# KiCad board e003_rocker.kicad_pcb
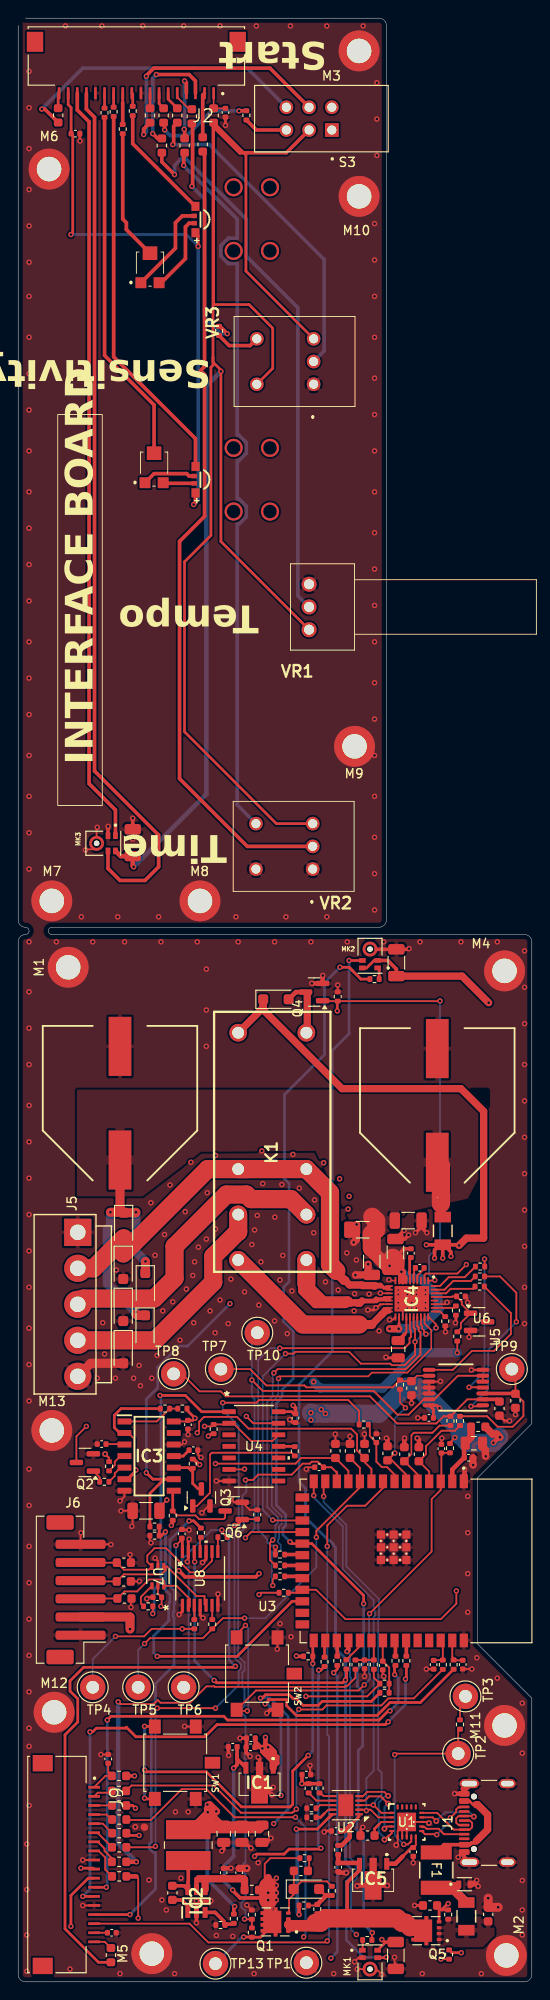
[diagram p0: board, top side]
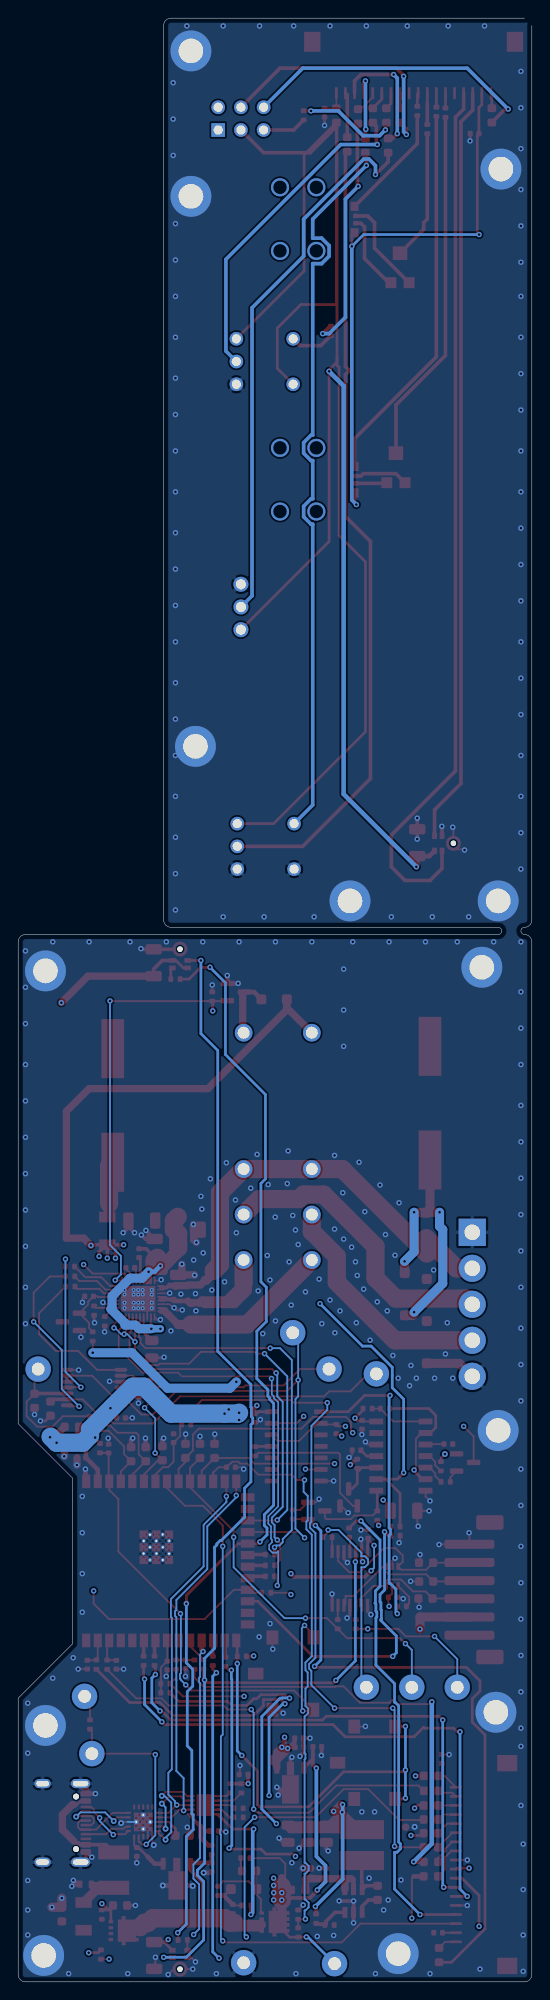
[diagram p1: board, bottom side, seen from below]

Outline 56.5 x 216 mm; copper layers: Top, In1.Cu, In2.Cu, Bottom. Coordinates in mm from the lower left corner of the outline.
Outline path: 0,215.2 0,116.8 arc(0.23,116.23) 0.8,116 arc(1.2,115.6) 0.8,115.2 arc(0.23,114.97) 0,114.4 0,0.8 arc(0.23,0.23) 0.8,0 55.7,0 arc(56.27,0.23) 56.5,0.8 56.5,31.2 50.5,37.2 50.5,55.4 56.5,61.4 56.5,114.4 arc(56.27,114.97) 55.7,115.2 3.7,115.2 arc(3.3,115.6) 3.7,116 39.7,116 arc(40.27,116.23) 40.5,116.8 40.5,215.2 arc(40.27,215.77) 39.7,216 0.8,216
Stack: Top 0.035mm / dielectric 0.1mm FR4 er 4.5 / In1.Cu 0.035mm / dielectric 1.24mm FR4 er 4.5 / In2.Cu 0.035mm / dielectric 0.1mm FR4 er 4.5 / Bottom 0.035mm

## Placement (name value [footprint] x y rotation side)
C1  100NF 0402 25V X7R  [C_0402_1005Metric]  23.6 25.85 180 top
C2  100NF 0402 25V X7R  [C_0402_1005Metric]  22.61 12 90 top
C3  100NF 0402 25V X7R  [C_0402_1005Metric]  24.3 12 90 top
C4  4.7N 50 VDC 5% 0603 C0G  [C_0603_1608Metric]  51.7 7.43 90 top
C5  100NF 0402 25V X7R  [C_0402_1005Metric]  48.9 34.89 270 top
C6  100NF 0402 25V X7R  [C_0402_1005Metric]  25.55 25.8 180 top
C7  100NF 0402 25V X7R  [C_0402_1005Metric]  25.6 26.8 180 top
C8  100NF_0603_100V_X7S  [C_0603_1608Metric]  16.96 9.79 90 top
C9  100NF 0402 25V X7R  [C_0402_1005Metric]  45.7 34.88 270 top
C10  10UF_0805_16V_X7R  [C_0805_2012Metric]  22.61 16.29 270 top
C11  100NF 1206 50V C0G  [C_1206_3216Metric]  41.54 2.9 270 top
C12  100NF 0402 25V X7R  [C_0402_1005Metric]  34.95 16.59 180 top
C13  10UF_0805_16V_X7R  [C_0805_2012Metric]  24.61 16.29 270 top
C14  10UF_0805_16V_X7R  [C_0805_2012Metric]  26.81 16.29 270 top
C15  100NF 1206 50V C0G  [C_1206_3216Metric]  41.6 112.1 90 top
C16  100NF 0402 25V X7R  [C_0402_1005Metric]  31.7 22.8 0 top
C17  100NF 1206 50V C0G  [C_1206_3216Metric]  12.6 125.3 90 top
C18  100NF 0402 25V X7R  [C_0402_1005Metric]  33.1 56.6 180 top
C19  100NF 0402 25V X7R  [C_0402_1005Metric]  9.9 24.52 90 top
C20  100NF 0402 25V X7R  [C_0402_1005Metric]  10.3 5.4 0 top
C21  220PF 0603 50V C0G  [C_0603_1608Metric]  40.63 58.14 90 top
C22  220PF 0603 50V C0G  [C_0603_1608Metric]  42.48 58.04 90 top
C23  220PF 0603 50V C0G  [C_0603_1608Metric]  44.08 58.04 90 top
C24  220PF 0603 50V C0G  [C_0603_1608Metric]  38.1 58.4 90 top
C25  100NF 0402 25V X7R  [C_0402_1005Metric]  46.55 58.65 90 top
C26  10UF_0805_16V_X7R  [C_0805_2012Metric]  50.13 59.25 0 top
C27  100NF 0402 25V X7R  [C_0402_1005Metric]  49.55 57.65 0 top
C28  220PF 0603 50V C0G  [C_0603_1608Metric]  36.5 58.4 90 top
C29  220PF 0603 50V C0G  [C_0603_1608Metric]  34.9 58.4 90 top
C30  100NF 0402 25V X7R  [C_0402_1005Metric]  18.67 61.28 270 top
C31  100NF 1206 50V C0G  [C_1206_3216Metric]  14.06 51.81 180 top
C32  CAPP_PANASONIC_EEV-FK1E222M  [CAPP_PANASONIC_EEEFK0J682AM]  11.2 96.65 90 top
C33  100NF 0402 25V X7R  [C_0402_1005Metric]  30.5 62 270 top
C34  CAPP_PANASONIC_EEV-FK1E222M  [CAPP_PANASONIC_EEEFK0J682AM]  46.1 96.4 90 top
C35  100NF 0402 25V X7R  [C_0402_1005Metric]  9.18 59.15 180 top
C36  10UF 1206 35V X5R  [C_1206_3216Metric]  38.9 79.23 270 top
C37  10UF 1206 35V X5R  [C_1206_3216Metric]  41.5 80.23 90 top
C38  10UF 1206 35V X5R  [C_1206_3216Metric]  42.9 83.73 0 top
C39  10UF 1206 35V X5R  [C_1206_3216Metric]  37.9 82.73 180 top
C40  100NF 0402 25V X7R  [C_0402_1005Metric]  44.17 78.54 0 top
C41  100NF_0603_100V_X7S  [C_0603_1608Metric]  38.42 16.09 0 top
C42  100NF 0402 25V X7R  [C_0402_1005Metric]  48.7 75.4 0 top
C43  100NF 0402 25V X7R  [C_0402_1005Metric]  43.2 80.15 270 top
C44  100NF 0402 25V X7R  [C_0402_1005Metric]  38.1 34.92 270 top
C45  10UF_0805_16V_X7R  [C_0805_2012Metric]  41.8 69.59 270 top
C46  100NF 0402 25V X7R  [C_0402_1005Metric]  39.4 59.8 90 top
C47  100NF 0402 25V X7R  [C_0402_1005Metric]  45.19 62.03 180 top
C48  100NF 0402 25V X7R  [C_0402_1005Metric]  19.28 58.48 0 top
C49  4.7N 50 VDC 5% 0603 C0G  [C_0603_1608Metric]  43.26 65.3 270 top
C50  4.7N 50 VDC 5% 0603 C0G  [C_0603_1608Metric]  54.7 63.91 270 top
C51  4.7N 50 VDC 5% 0603 C0G  [C_0603_1608Metric]  52.94 63.06 270 top
C52  220PF 0603 50V C0G  [C_0603_1608Metric]  11.63 46.11 0 top
C53  220PF 0603 50V C0G  [C_0603_1608Metric]  11.62 44.05 0 top
C54  220PF 0603 50V C0G  [C_0603_1608Metric]  11.69 42.17 0 top
C55  100NF 0402 25V X7R  [C_0402_1005Metric]  18 49.28 90 top
C56  100NF 0402 25V X7R  [C_0402_1005Metric]  35.2 12.6 270 top
C57  100NF 0402 25V X7R  [C_0402_1005Metric]  43.46 14.29 270 top
C58  100NF_0603_100V_X7S  [C_0603_1608Metric]  31.1 12.2 0 top
C59  100NF 0402 25V X7R  [C_0402_1005Metric]  40.1 34.8 270 top
C60  100NF 0402 25V X7R  [C_0402_1005Metric]  6.3 203.3 0 top
C61  100NF 0402 25V X7R  [C_0402_1005Metric]  22.8 205.6 270 top
C62  100NF_0603_100V_X7S  [C_0603_1608Metric]  45.3 8.4 180 top
C63  100NF 0402 25V X7R  [C_0402_1005Metric]  15.3 42.3 180 top
D1  DOID_ST_ESDA25P35-1U1M  [DIOD_STM_ESDA25P35-1U1M]  49.09 10.74 0 top
D2  DIODE_DIODES_B260S1F-7  [D_SOD-123F]  28.35 108.08 0 top
D3  DIODE_DIODES_B260S1F-7  [D_SOD-123F]  13.95 71.91 270 top
D4  DIODE_DIODES_B260S1F-7  [D_SOD-123F]  11.55 69.44 270 top
D5  DIODE_DIODES_B260S1F-7  [D_SOD-123F]  13.98 76.56 270 top
D6  DIODE_DIODES_B260S1F-7  [D_SOD-123F]  11.55 74.09 270 top
D7  DIODE_DIODES_B260S1F-7  [D_SOD-123F]  11.6 83.2 270 top
D8  DIODE_DIODES_B260S1F-7  [D_SOD-123F]  11.55 78.71 270 top
D9  DIODE_DIODES_B260S1F-7  [D_SOD-123F]  31.7 10.2 0 top
F1  2A 3.5A 16V  [PFUSE_LITTLEFUSE_1812L20016DR]  45.99 12.29 270 top
IC1  IC_DIODES_AP7381-50Y-13  [IC_DIODES_AP738133Y13]  26.55 23.16 180 top
IC2  DCP3601  [SOT95P280X125-6N]  19.61 8.89 90 top
IC3  IC_TEXAS_NE556DR  [SOIC127P600X175-14N]  14.4 57.83 0 top
IC4  DRV8317HREER  [QFN40P400X500X80-37N-D]  43.3 75.14 270 top
IC5  IC_DIODES_AP7381-33Y-13  [IC_DIODES_AP738133Y13]  39.05 12.59 180 top
J1  CONN_GCT_USB4105-GF-A  [USB_C_Receptacle_GCT_USB4105-xx-A_16P_TopMnt_Horizontal]  52.74 17.49 90 top
J2  AMPHENOL_F51L-1A7H1-11018  [CONN_AMPHENOL_F51L-1A7H1-11018]  13 213.4 180 top
J5  B5P-VH  [CONN_JST_B5P-VH]  6.55 74.53 270 top
J6  CONN_JST_B6B-PH-K-S  [JST_PH_B6B-PH-SM4-TB_1x06-1MP_P2.00mm_Vertical]  6.36 43.13 90 top
J9  AMPHENOL_F51L-1A7H1-11018  [CONN_AMPHENOL_F51L-1A7H1-11018]  2.7 12.9 270 top
K1  JW2SN-DC12V  [REL_PANASONIC_JW2SN-DC12V]  27.95 79.4 90 top
L1  INDC_BEAD_BLM18AG601SN1D  [L_0603_1608Metric]  21.5 205.3 270 top
L2  INDC_BEAD_BLM18AG601SN1D  [L_0603_1608Metric]  25.69 10.1 180 top
L3  INDC_BEAD_TAY_FBMH3216HM221NT  [INDC_TAY_FBMH3216HM221NT]  49.3 7.2 270 top
L4  INDC_TDK_VLCF5028T-220MR71-2  [IND_TDK_VLCF5028T-220MR71-2]  18.71 15.04 90 top
L6  INDC_BEAD_BLM18AG601SN1D  [L_0603_1608Metric]  11.09 22.65 0 top
L7  INDC_BEAD_BLM18AG601SN1D  [L_0603_1608Metric]  11.09 21 180 top
L8  INDC_BEAD_BLM18AG601SN1D  [L_0603_1608Metric]  11.1 19.4 180 top
L9  INDC_BEAD_BLM18AG601SN1D  [L_0603_1608Metric]  11.11 17.85 180 top
L10  INDC_BEAD_BLM18AG601SN1D  [L_0603_1608Metric]  20.3 202.11 90 top
L11  INDC_BEAD_BLM18AG601SN1D  [L_0603_1608Metric]  15.8 201.99 90 top
L12  INDC_BEAD_BLM18AG601SN1D  [L_0603_1608Metric]  18.31 201.99 90 top
L13  INDC_BEAD_BLM18AG601SN1D  [L_0603_1608Metric]  50.6 61.05 0 top
L14  INDC_BEAD_TAY_FBMH3216HM221NT  [INDC_TAY_FBMH3216HM221NT]  46.7 82.6 270 top
L15  INDC_BEAD_BLM18AG601SN1D  [L_0603_1608Metric]  17.5 205.3 90 top
L16  INDC_BEAD_BLM18AG601SN1D  [L_0603_1608Metric]  16 205.3 90 top
L17  INDC_BEAD_BLM18AG601SN1D  [L_0603_1608Metric]  14.5 205.3 90 top
L18  INDC_BEAD_BLM18AG601SN1D  [L_0603_1608Metric]  19.1 205.2 90 top
L19  INDC_BEAD_BLM18AG601SN1D  [L_0603_1608Metric]  4.4 205.31 90 top
L20  INDC_BEAD_BLM18AG601SN1D  [L_0603_1608Metric]  11.11 16.35 180 top
L21  INDC_BEAD_BLM18AG601SN1D  [L_0603_1608Metric]  11.11 14.8 180 top
L22  INDC_BEAD_BLM18AG601SN1D  [L_0603_1608Metric]  11.1 13.2 180 top
L23  INDC_BEAD_BLM18AG601SN1D  [L_0603_1608Metric]  11.11 11.6 180 top
L25  INDC_BEAD_BLM18AG601SN1D  [L_0603_1608Metric]  10.2 2.94 90 top
LED1  RGB  [LED_XINLIGHT_XL-3210RGBC-YG]  19.7 165.23 90 top
LED2  RGB  [LED_XINLIGHT_XL-3210RGBC-YG]  19.7 193.85 90 top
M1  CONN_M4_MOUNT  [MountingHole_2.7mm_M2.5_ISO7380_Pad]  5.5 111.6 90 top  (not fitted)
M2  CONN_M4_MOUNT  [MountingHole_2.7mm_M2.5_ISO7380_Pad]  53.7 2.9 90 top  (not fitted)
M3  CONN_M4_MOUNT  [MountingHole_2.7mm_M2.5_ISO7380_Pad]  37.5 212.4 180 top  (not fitted)
M4  CONN_M4_MOUNT  [MountingHole_2.7mm_M2.5_ISO7380_Pad]  53.5 111.2 90 top  (not fitted)
M5  CONN_M4_MOUNT  [MountingHole_2.7mm_M2.5_ISO7380_Pad]  14.7 3.1 90 top  (not fitted)
M6  CONN_M4_MOUNT  [MountingHole_2.7mm_M2.5_ISO7380_Pad]  3.4 199.4 90 top  (not fitted)
M7  CONN_M4_MOUNT  [MountingHole_2.7mm_M2.5_ISO7380_Pad]  3.7 118.9 90 top  (not fitted)
M8  CONN_M4_MOUNT  [MountingHole_2.7mm_M2.5_ISO7380_Pad]  20 118.9 90 top  (not fitted)
M9  CONN_M4_MOUNT  [MountingHole_2.7mm_M2.5_ISO7380_Pad]  37 135.9 90 top  (not fitted)
M10  CONN_M4_MOUNT  [MountingHole_2.7mm_M2.5_ISO7380_Pad]  37.5 196.4 90 top  (not fitted)
M11  CONN_M4_MOUNT  [MountingHole_2.7mm_M2.5_ISO7380_Pad]  53.5 28.2 90 top  (not fitted)
M12  CONN_M4_MOUNT  [MountingHole_2.7mm_M2.5_ISO7380_Pad]  3.95 29.65 0 top  (not fitted)
M13  CONN_M4_MOUNT  [MountingHole_2.7mm_M2.5_ISO7380_Pad]  3.7 60.65 0 top  (not fitted)
MK1  IC_KNOWLES_SPH0141LM4H-1  [MIC_KNOWLES_SPH0641LM4H-1]  38.7 1.4 0 top
MK2  IC_KNOWLES_SPH0141LM4H-1  [MIC_KNOWLES_SPH0641LM4H-1]  38.7 113.6 180 top
MK3  IC_KNOWLES_SPH0141LM4H-1  [MIC_KNOWLES_SPH0641LM4H-1]  8.63 125.24 270 top
Q1  TRAN_ALPHA_AONR21357  [TRAN_ALPHA__AONR21307]  28.31 6.59 180 top
Q2  TRAN_DIODES_DMN62D0U-13  [SOT-23]  7.34 57.13 180 top
Q3  TRAN_DIODES_DMN62D0U-13  [SOT-23]  20.15 53.28 90 top
Q4  TRAN_DIODES_DMN62D0U-13  [SOT-23]  32.55 108.88 180 top
Q5  TRAN_ALPHA_AONR21357  [TRAN_ALPHA__AONR21307]  44.9 5.62 180 top
Q6  TRAN_DIODES_DMN62D0U-13  [SOT-23]  23.7 51.8 180 top
R1  220K 0402  [R_0402_1005Metric]  48.6 28.3 90 top
R2  80.6K 0402 1%  [R_0402_1005Metric]  23.72 6.94 90 top
R3  28K 0402 1%  [R_0402_1005Metric]  22.25 6.25 0 top
R4  47K 0402  [R_0402_1005Metric]  46.97 72.66 90 top
R5  1.5K 0402  [R_0402_1005Metric]  31.41 8.4 0 top
R6  4.7K 0402  [R_0402_1005Metric]  32.9 8 270 top
R7  100R 0402  [R_0402_1005Metric]  38.4 4.6 180 top
R8  4.7K 0402  [R_0402_1005Metric]  33.15 21.29 90 top
R9  4.7K 0402  [R_0402_1005Metric]  31.95 21.29 90 top
R10  100R 0402  [R_0402_1005Metric]  39.2 110.3 0 top
R11  47K 0402  [R_0402_1005Metric]  25.7 5.42 270 top
R12  4.7K 0402  [R_0402_1005Metric]  25.7 7.39 270 top
R13  10K 0402  [R_0402_1005Metric]  26.3 51.4 270 top
R14  1.5K 0402  [R_0402_1005Metric]  42 65.69 90 top
R15  1.5K 0402  [R_0402_1005Metric]  47.55 61.7 90 top
R16  100R 0402  [R_0402_1005Metric]  28.8 44.6 180 top
R17  1.5K 0402  [R_0402_1005Metric]  48.6 61.7 90 top
R18  100R 0402  [R_0402_1005Metric]  28.8 45.8 180 top
R19  100R 0402  [R_0402_1005Metric]  28.8 47 180 top
R20  10K 0402  [R_0402_1005Metric]  31.9 35.8 180 top
R21  4.7K 0402  [R_0402_1005Metric]  47.5 58.7 90 top
R22  100R 0402  [R_0402_1005Metric]  36.1 34.91 270 top
R23  220K 0402  [R_0402_1005Metric]  18.06 63.06 0 top
R24  1.5K 0402  [R_0402_1005Metric]  16.15 63.06 0 top
R25  10K 0402  [R_0402_1005Metric]  10 56.71 90 top
R26  100R 0402  [R_0402_1005Metric]  9.47 55.01 0 top
R27  4.7K 0402  [R_0402_1005Metric]  22.1 181.6 90 top
R28  220R 0402  [R_0402_1005Metric]  9.5 205.6 90 top
R29  10K 0402  [R_0402_1005Metric]  21.5 60.8 270 top
R30  47K 0402  [R_0402_1005Metric]  47.9 34.89 270 top
R31  47K 0402  [R_0402_1005Metric]  48.15 73.84 90 top
R32  47K 0402  [R_0402_1005Metric]  46.71 34.88 270 top
R33  47K 0402  [R_0402_1005Metric]  39.12 34.89 270 top
R34  1.5K 0402  [R_0402_1005Metric]  48.3 70.99 270 top
R35  100R 0402  [R_0402_1005Metric]  30.42 58.36 270 top
R36  10K 0402  [R_0402_1005Metric]  19.2 56.99 90 top
R37  10R 0402  [R_0402_1005Metric]  50.81 78.68 180 top
R38  10R 0402  [R_0402_1005Metric]  50.78 77.59 180 top
R39  10K 0402  [R_0402_1005Metric]  17 51.28 270 top
R40  10R 0402  [R_0402_1005Metric]  50.76 76.48 180 top
R41  10K 0402  [R_0402_1005Metric]  29.21 42.8 180 top
R42  10K 0402  [R_0402_1005Metric]  35.15 108.39 270 top
R43  4.7K 0402  [R_0402_1005Metric]  15 50.08 180 top
R44  10K 0402  [R_0402_1005Metric]  15 49.08 0 top
R45  100R 0402  [R_0402_1005Metric]  14.3 41.3 0 top
R46  100R 0402  [R_0402_1005Metric]  19.38 39.34 90 top
R47  100R 0402  [R_0402_1005Metric]  21.35 39.34 270 top
R48  100R 0402  [R_0402_1005Metric]  22.48 48.91 180 top
R49  10R 0402  [R_0402_1005Metric]  31.5 13.6 0 top
R50  47K 0402  [R_0402_1005Metric]  40.3 32.8 180 top
R51  10R 0402  [R_0402_1005Metric]  35.2 14.51 90 top
R52  10K 0402  [R_0402_1005Metric]  32.26 19.09 0 top
R53  1.5K 0402  [R_0402_1005Metric]  37.1 34.89 90 top
R54  1.5K 0402  [R_0402_1005Metric]  40.3 31.8 0 top
R55  10R 0402  [R_0402_1005Metric]  20.1 49.4 270 top
R56  100R 0402  [R_0402_1005Metric]  33.7 35.2 90 top
R57  7.5K 0402  [R_0402_1005Metric]  32.26 18.09 0 top
R58  47K 0402  [R_0402_1005Metric]  34.5 10 270 top
R59  100R 0402  [R_0402_1005Metric]  35.1 35.31 90 top
R60  47K 0402  [R_0402_1005Metric]  38.01 61.3 180 top
R61  100R 0402  [R_0402_1005Metric]  42.7 35.31 90 top
R62  100R 0402  [R_0402_1005Metric]  41.5 35.31 90 top
R66  330R 0402  [R_0402_1005Metric]  10.5 205.7 270 top
R68  330R 0402  [R_0402_1005Metric]  12.6 205.79 270 top
R70  220R 0402  [R_0402_1005Metric]  11.5 203.8 90 top
R71  4.7K 0402  [R_0402_1005Metric]  25.1 205.31 90 top
R72  47K 0402  [R_0402_1005Metric]  47.3 7.4 270 top
R73  10K 0402  [R_0402_1005Metric]  47.4 3 90 top
RV1  200R  [POT_BOURNS_TC33X2201E]  14.5 188.53 0 top
RV2  200R  [POT_BOURNS_TC33X2201E]  14.95 166.53 0 top
S3  PBH2UEESNPNAGX  [BTN_ESWITCH_PBH2UXXSNPNAGX]  34.5 203.7 0 top
SW1  BTN_OMRON_B3S-1100P  [SW_SPST_B3S-1100]  18.2 24.1 90 top
SW2  BTN_OMRON_B3S-1100P  [SW_SPST_B3S-1100]  27.2 33.9 90 top
TP1  TestPoint  [TestPoint_Loop_D2.60mm_Drill1.4mm_Beaded]  31.7 2.1 0 top
TP2  TestPoint  [TestPoint_Loop_D2.60mm_Drill1.4mm_Beaded]  48.4 25.1 90 top
TP3  TestPoint  [TestPoint_Loop_D2.60mm_Drill1.4mm_Beaded]  49.2 31.4 90 top
TP4  TestPoint  [TestPoint_Loop_D2.60mm_Drill1.4mm_Beaded]  8.2 32.4 0 top
TP5  TestPoint  [TestPoint_Loop_D2.60mm_Drill1.4mm_Beaded]  13.2 32.4 0 top
TP6  TestPoint  [TestPoint_Loop_D2.60mm_Drill1.4mm_Beaded]  18.2 32.4 0 top
TP7  TestPoint  [TestPoint_Loop_D2.60mm_Drill1.4mm_Beaded]  22.3 67.4 180 top
TP8  TestPoint  [TestPoint_Loop_D2.60mm_Drill1.4mm_Beaded]  17.1 66.88 180 top
TP9  TestPoint  [TestPoint_Loop_D2.60mm_Drill1.4mm_Beaded]  54.3 67.4 180 top
TP10  TestPoint  [TestPoint_Loop_D2.60mm_Drill1.4mm_Beaded]  26.3 71.4 0 top
TP13  TestPoint  [TestPoint_Loop_D2.60mm_Drill1.4mm_Beaded]  21.7 2 0 top
U1  IC_TEXAS_TPD4S201TRGRRQ1  [IC_TEXAS_TPD4S201TRGR]  42.74 17.59 0 top
U2  HUSB238_002DD  [DFN-10-1EP_3x3mm_P0.5mm_EP1.65x2.38mm]  36.04 19.43 180 top
U3  ESP32-S3-WROOM-1-N8R2  [IC_EXPIF_ESP32-S3-WROOM-1-N8R2]  43.76 46.3 270 top
U4  74HC393D  [IC_NEXPERIA_74HC393D]  25.92 58.9 0 top
U5  IC_DIOD_LM4040D30FTA  [SOT-23]  50.7 72.6 0 top
U6  RS2254XQ  [IC_RUNIC_RS2254XQ]  48.15 65.37 180 top
U7  SC-88_SOT363_NEX  [IC_NEXPERIA_74LVC1G386GW]  15.37 44.62 270 top
U8  74VHCT126AFT  [IC_TOSHIBA_74VHCT126AFT]  20.02 44.38 90 top
VR1  RK097111080R  [POT_ALPS_RK097111080R]  32 148.73 90 top
VR2  RK09711110EL  [POT_ALPS_RK09711110EL]  32.4 122.4 0 top
VR3  RK09711110EL  [POT_ALPS_RK09711110EL]  32.5 175.73 0 top

## Library data of the parts
C1-C3 C6 C7 C12 C19 C20 C25 C27 C43 C56 C57 C60 C61 = -: Description: CAPC 100N 0402 25 X7R; manf: Generic; val: 100nF; ki_fp_filters: C0402_N
C4 C49-C51 = -: Description: CAPC 4.7N 50 VDC 5% 0603 C0G; Voltage: 0V; val: 4.7nF; manf: Generic; manfn#: Generic; ki_fp_filters: C0402_N
C5 C9 C16 C18 C40 C44 C46 C59 C63 = -: Description: CAPC 100N 0402 25 X7R; val: 100nF; manf: Generic; ki_fp_filters: C0402_N
C8 C58 = -: Description: CAPC 100NF 0603 100V X7S; Voltage: 0V; val: 100nF; manf: Generic; manfn#: Generic; ki_fp_filters: C0402_N
C10 C13 C14 C45 = -: Description: CAPC BASE; val: 10uF; manf: Generic; ki_fp_filters: C0402_N
C11 C15 C17 C31 = -: Description: CAPC BASE; Voltage: 0V; val: 100N; manf: Generic; manfn#: Generic; ki_fp_filters: C0402_N
C21-C24 C28 C29 C52-C54 = -: Description: CAPC BASE; Voltage: 0V; val: 220pF; manf: Generic; manfn#: Generic; ki_fp_filters: C0402_N
C26 = -: Description: CAPC BASE; manf: Generic; val: 10uF; ki_fp_filters: C0402_N
C30 C33 C35 C42 C47 C48 C55 = -: Description: CAPC 100N 0402 25 X7R; Voltage: 0V; val: 100nF; manf: Generic; manfn#: Generic; ki_fp_filters: C0402_N
C32 C34 = -: Datasheet: http://industrial.panasonic.com/cdbs/www-data/pdf/RDE0000/ABA0000C1181.pdf; Description: PANASONIC ELECTRONIC COMPONENTS - EEV-FK1E222M - ALUMINUM ELECTROLYTIC CAPACITOR, 2200UF,; Height: 17; manf: Panasonic; mpn: EEV-FK1E222M; val: 2200u
C36-C39 = -: Description: CAPC BASE; Voltage: 0V; manf: Generic; val: 10uF; manfn#: Generic; ki_fp_filters: C0402_N
C41 C62 = -: Description: CAPC 100NF 0603 100V X7S; val: 100nF; manf: Generic; ki_fp_filters: C0402_N
D1 = -: Description: TVS DIODE 22VWM 41VC 1610; PARTREV: 2; STANDARD: Manufacturer Recommendations; MAXIMUM_PACKAGE_HEIGHT: 0.6 mm; manf: STMicroelectronics; mpn: ESDA25P35-1U1M
D2-D9 = -: Datasheet: http://www.jameco.com/Jameco/Products/ProdDS/1538777.pdf; Description: DIODE SCHOTTKY 60V 2A SMB; mpn: B260S1F-7; manf: Diodes Incorporated; ki_fp_filters: D*SMB*
F1 = -: Description: Resettable fuse 2A hold 3.5A trip 16V; manf: Littefuse; mpn: 1812L200/16DR; ki_fp_filters: *polyfuse* *PTC*
IC1 = -: Datasheet: https://www.diodes.com/assets/Datasheets/AP7381.pdf; Description: DiodesZetex AP7381-50Y-13, LDO Voltage Regulator Controller, 150mA, 5 V 3 + Tab-Pin, SOT-89; Height: 1.6; Mouser Part Number: 621-AP7381-50Y-13; Mouser Price/Stock: https://www.mouser.co.uk/ProductDetail/Diodes-Incorporated/AP7381-50Y-13?qs=j%252B1pi9TdxUYCw31lK%2Fa3%252BA%3D%3D; manf: Diodes Incorporated; mpn: AP7381-50Y-13
IC2 = -: Datasheet: https://www.st.com/resource/en/datasheet/dcp3601.pdf; Description: Switching Voltage Regulators 36 V, 1 A synchronous step-down converter in SOT23-6L; Height: 1.25; manf: STMicroelectronics; mpn: DCP3601CDMR
IC3 = -: Datasheet: https://componentsearchengine.com/Datasheets/2/NE556DR.pdf; Description: Standard Timer Dual 14-Pin SOIC Texas Instruments NE556DR, Timer Dual, 4.5  16 V, 14-Pin SOIC; Height: 1.75; Mouser Part Number: 595-NE556DR; Mouser Price/Stock: https://www.mouser.co.uk/ProductDetail/Texas-Instruments/NE556DR?qs=gb35HGp1gQJZsh5SP4p3mQ%3D%3D; manf: Texas Instruments; mpn: NE556DR
IC4 = -: Datasheet: https://www.ti.com/lit/ds/symlink/drv8317.pdf; Description: Motor / Motion / Ignition Controllers & Drivers 24-V max 5-A peak three-phase motor driver with integrated FETs and current sensing 36-WQFN -40 to 125; Height: 0.8; manf: Texas Instruments
IC5 = -: Datasheet: https://www.diodes.com/assets/Datasheets/AP7381.pdf; Description: DiodesZetex AP7381-50Y-13, LDO Voltage Regulator Controller, 150mA, 3.3 V 3 + Tab-Pin, SOT-89; Height: 1.6; manf: Diodes Incorporated; mpn: AP7381-33Y-13
J1 = -: Datasheet: https://www.usb.org/sites/default/files/documents/usb_type-c.zip; Description: USB 2.0-only 16P Type-C Receptacle connector; manf: GCT; mpn: USB4105-GF-A; ki_fp_filters: USB*C*Receptacle*
J2 J9 = -: Description: CONN FFC FPC BOTTOM 18POS 1MM RA; mpn: F51L-1A7H1-11018; manf: Amphenol ICC (FCI); ki_fp_filters: Connector*:*_1x??_*
J5 = -: manf: JST; Description_1: Connector Header Through Hole 5 position 0.156 (3.96mm)
J6 = -: Description: Generic connector, single row, 01x06, script generated (kicad-library-utils/schlib/autogen/connector/); manf: JST; mpn: B6B-PH-S-K-S; ki_fp_filters: Connector*:*_1x??_*
K1 = -: Datasheet: https://industry.panasonic.com/ac/cdn/e/control/relay/power/catalog/mech_eng_jw.pdf; Description: 5 A Power relays; manf: Panasonic
L1 L2 L6-L13 L15-L23 L25 = -: Description: FERRITE BEAD 600 OHM 0603 1LN; mpn: BLM18AG601SN1D; manf: Muarata; ki_fp_filters: Choke_* *Coil* Inductor_* L_*
L3 L14 = -: mpn: FBMH3216HM221NT; manf: Taiyo Yuden; ki_fp_filters: Choke_* *Coil* Inductor_* L_*
L4 = -: Description: FIXED IND 22UH 1.66A 140MOHM SMD; mpn: VLCF5028T-220MR71-2; manf: TDK; val: 22uH; ki_fp_filters: Choke_* *Coil* Inductor_* L_*
LED1 LED2 = -: Datasheet: UHD111A-FKA-C3K23E1L3VG5ZB3Z3; manf: Cree; mpn: UHD111A-FKA-C3K23E1L3VG5ZB3Z3; ki_fp_filters: SMD4_UHD111A-FKA_CRW
M1-M13 = -: Description: M4 screw mount; ki_fp_filters: TerminalBlock*:*
MK1-MK3 = -: Description: Knowles MEMS Microphone; manf: Knowles; mpn: SPH0141LM4H-1; ki_fp_filters: Knowles*SPH0645LM4H*
Q1 Q5 = -: Datasheet: https://eu.mouser.com/datasheet/2/916/NXV75UP-1948324.pdf; Description: MOSFET P-CH 30V 21A; mpn: AONR21357; manf: Alpha; ki_fp_filters: SOT?23*
Q2-Q4 Q6 = -: Datasheet: https://www.diodes.com/assets/Datasheets/DMG2302UK.pdf; Description: MOSFET N-CH 60V 0.38A; mpn: DMN62D0U-13; manf: Diodes Inc; ki_fp_filters: SOT23-2
R1 R23 = -: val: 220k; manf: Generic; ki_fp_filters: RESC1608X50N-0603
R2 = -: val: 80.6K; manf: Generic; ki_fp_filters: RESC1608X50N-0603
R3 = -: val: 28k; manf: Generic; ki_fp_filters: RESC1608X50N-0603
R4 R11 R30-R33 R50 R58 R60 R72 = -: val: 47k; manf: Generic; ki_fp_filters: RESC1608X50N-0603
R5 R14 R15 R17 R24 R34 R53 R54 = -: val: 1.5k; manf: Generic; ki_fp_filters: RESC1608X50N-0603
R6 R8 R9 R12 R21 R27 R43 R71 = -: val: 4.7k; manf: Generic; ki_fp_filters: RESC1608X50N-0603
R7 R10 R16 R18 R19 R22 R26 R35 R45-R48 R56 R59 R61 R62 = -: val: 100R; manf: Generic; ki_fp_filters: RESC1608X50N-0603
R13 R20 R25 R29 R36 R39 R41 R42 R44 R52 R73 = -: val: 10k; manf: Generic; ki_fp_filters: RESC1608X50N-0603
R28 R70 = -: val: 220R; manf: Generic; ki_fp_filters: RESC1608X50N-0603
R37 R38 R40 R49 R51 R55 = -: val: 10R; manf: Generic; ki_fp_filters: RESC1608X50N-0603
R57 = -: val: 7.5k; manf: Generic; ki_fp_filters: RESC1608X50N-0603
R66 R68 = -: val: 330R; manf: Generic; ki_fp_filters: RESC1608X50N-0603
RV1 RV2 = -: Description: TRIMMER 200 OHM 0.15W J LEAD TOP; manf: Bourns; mpn: TC33X-2-201E; ki_fp_filters: Potentiometer*
S3 = -: manf: E-Switch
SW1 SW2 = -: Datasheet: https://omronfs.omron.com/en_US/ecb/products/pdf/en-b3s.pdf; Description: BUTTON SPST SMD; manf: Omron; mpn: B3S-1100P
TP1-TP10 TP13 = -: Description: test point; ki_fp_filters: Pin* Test*
U1 = -: Datasheet: Automotive USB Type-C™ CC/D+/D- short-to-20V and IEC ESD protection; manf: Texas Instruments; mpn: TPD4S201TRGRRQ1; ki_fp_filters: RGR0020A RGR0020A_NV
U2 = -: Description: USB-PD Sink IC Port Controller; manf: Hynetek; ki_fp_filters: *WQFN*3x3mm*P0.5mm*EP1.7*x1.7*mm*
U3 = -: manf: Espressif; height: 3.25mm
U4 = -: Datasheet: 7; manf: Nexperia; mpn: 74HC393D_653; ki_fp_filters: U_SO14_NEX U_SO14_NEX-M U_SO14_NEX-L
U5 = -: Datasheet: http://www.ti.com/lit/ds/symlink/lm4040-n.pdf; Description: 3.000V Precision Micropower Shunt Voltage Reference, SOT-23; manf: Diodes Incorporated; mpn: LM4040D30FTA; ki_fp_filters: SOT?23*
U6 = -: alt part: TI CD4066B; manf: Runic; ki_fp_filters: PW0014A_N PW0014A_M PW0014A_L
U7 = -: Description: Single XOR 3-Input Gate, Low-Voltage CMOS; manf: Nexperia; mpn: 74LVC1G386GW,125; ki_fp_filters: SOT* SG*
U8 = -: Datasheet: https://toshiba.semicon-storage.com/info/docget.jsp?did=14040&prodName=74VHCT126AFT; manf: Toshiba; ki_fp_filters: TSSOP14B_TOS TSSOP14B_TOS-M TSSOP14B_TOS-L
VR1 = -: Datasheet: https://www.mouser.de/datasheet/2/15/ALPS_7_10_2024_RK097_1274130-3473249.pdf; Description: Potentiometers 10 KOhms 30% 9mm Size Metal Shaft Multi-ganged Type RK097 Series; Height: 11.35; manf: ALPS Electric
VR2 VR3 = -: Datasheet: https://tech.alpsalpine.com/e/products/detail/RK09711110EL/; Description: Potentiometers Flat 20mm 10k 9mm Size Metal Shaft Multi-ganged; Height: 11.35; manf: ALPS Electric